# Altium PCB precursor_pvt2b.PcbDoc (part 3 of 7) (continued)
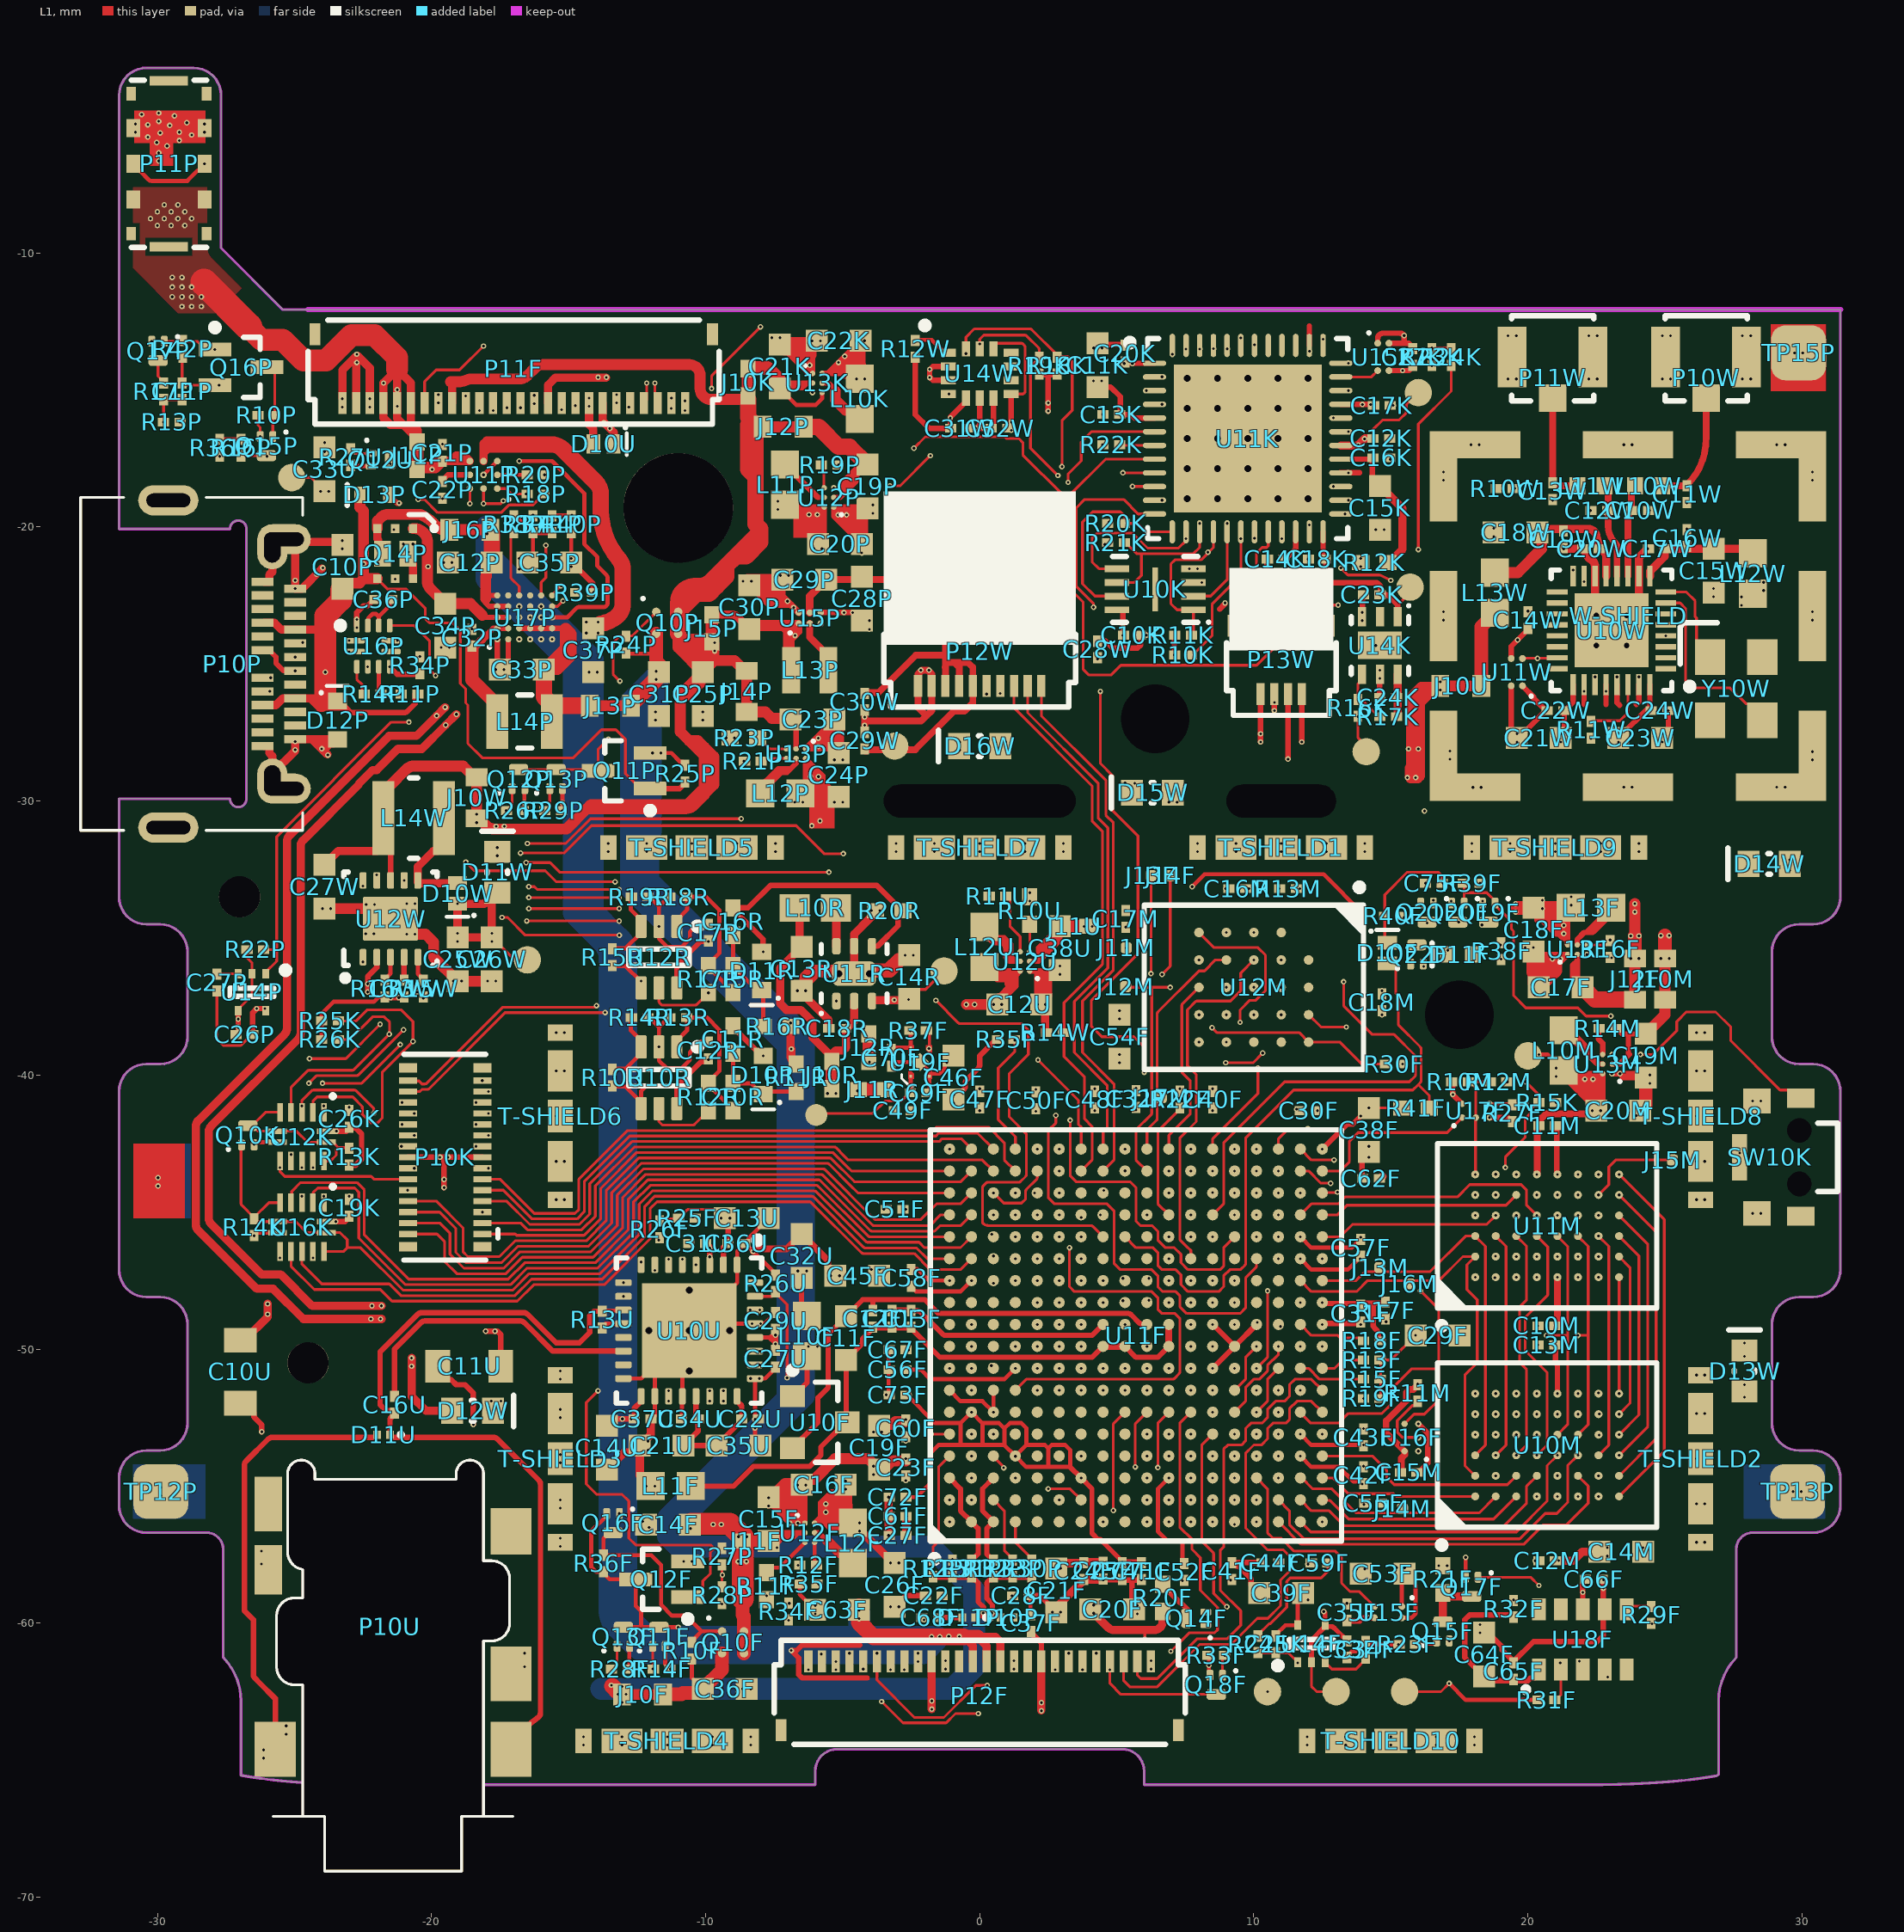
[diagram p0: L1 view]
## Nets (pads, with @x,y where several pads share a name; then routed paths per layer and width w, separated by ;. In a path a pad name is that pad's centre, name@x,y a point inside that pad or via, vN(x,y) a via of type N, cw(c..) or ccw(c..) an arc to the next point about the centre after c; other vN are vias at no path point) (continued)
  L1 w0.25: C30P.2@-8.5,-22 C30P.2@-8.225,-22.275 ; v1(-8.262,-46.438) -8.174,-46.35 -7.05,-46.35 C32U.2@-6.5,-45.8 -5.55,-46.75 -5.55,-47.05 v2(-5.275,-47.325) ; -7.775,-21.963 -7.762,-21.963 C29P.2@-7.525,-22.2 ; C29P.2@-7.238,-21.963 -7.475,-22.2 C29P.2@-7.525,-22.2 ; C29P.2@-7.2,-21.925 -7.2,-22.525 ; -7.187,-22.64 -7.375,-22.64 -7.56,-22.64 -7.85,-22.35 ; C29P.2@-7.138,-21.963 C29P.2@-7.1,-21.925 ; U15P.A2@-6.6,-23.125 v2(-6.9,-22.825) ; C29W.1@-4.2,-27.475 v2(-4.2,-27.087) ; C30W.1@-4.2,-26.7 v2(-4.2,-27.087) ; -1.75,-25.4 -1.75,-25.371 ; C30P.2@-8.225,-22.275 -7.675,-22.825 v2(-6.9,-22.825) ; C30P.2@-8.225,-22.275 C30P.2@-8.075,-22.275 ; C30P.2@-8.075,-22.275 -7.925,-22.275 -7.85,-22.35 ; C30P.2@-8.075,-22.275 -8,-22.2 C29P.2@-7.525,-22.2 ; -7.85,-22.35 -7.375,-22.35 ; C29P.2@-7.525,-22.2 -7.375,-22.35 ; -7.375,-22.35 -7.2,-22.525 ; -7.2,-22.525 v2(-6.9,-22.825) ; v2(-4.2,-27.087) -2.137,-27.087 -1.944,-26.894 ; -1.944,-26.894 -1.75,-26.7 -1.75,-25.371 ; -1.944,-26.894 -2.25,-26.588 -2.25,-25.371 -2.104,-25.225 -1.896,-25.225 -1.75,-25.371
  L1 w0.3: P10P.B1@-26.1,-28 -25.92,-28 -25.92,-28.25 -25.808,-28.362 P10P.0@-25.808,-29 ; P10P.B12@-26.1,-22 -25.92,-22 -25.92,-21.75 -25.808,-21.638 P10P.0@-25.808,-20.75 ; P10P.0@-25.808,-29.25 P10P.0@-25.808,-29 ; v1@-24,-21.525 -24,-21.53 -24.72,-22.25 P10P.A1@-24.97,-22.25 v1(-24.97,-21.952) -24.97,-20.82 P10P.0@-25.24,-20.55 ; v1@-23.8,-28.3 -23.924,-28.176 -24.35,-27.75 ; D12P.1@-23.475,-27.75 -24.075,-27.75 ; D12P.1@-23.425,-27.75 -23.575,-27.9 -23.625,-27.9 -23.825,-27.9 -23.875,-27.95 -24.075,-27.75 ; v2(-23.25,-20.65) -23.35,-20.55 P10P.0@-25.24,-20.55 ; P11F.1@-23.25,-15.3 -23.25,-14.278 -22.75,-13.778 P11F.2@-22.75,-15.3 ; v1@-22.7,-13.752 -22.25,-14.202 P11F.3@-22.25,-15.3 ; C14U.2@-13.275,-54.075 -12.975,-53.775 -12.65,-53.775 C21U.2@-12.4,-53.525 ; L11F.1@-12.4,-54.61 C21U.2@-12.4,-53.525 ; C37U.1@-11.995,-52.55 -11.995,-53.12 C21U.2@-12.4,-53.525 ; C13R.2@-6.575,-36.925 -5.525,-37.975 C18R.1@-5.525,-38.3 ; R20R.1@-3.883,-34.158 -4.051,-34.326 -4.58,-34.855 U11R.5@-4.58,-35.3 U11R.7@-4.58,-36.3 ; v2(-3.325,-56.8) v2(-3.325,-55.4) ; v1(-1.75,-63.14) -1.75,-63.138 P12F.17@-1.75,-61.4 ; v2(2.25,-37.425) 2.39,-37.565 2.39,-38.44 2.4,-38.45 R14W.1@2.425,-38.45 ; v2(2.8,-59.6) 2.8,-59.549 cw(c3.1,-59.549) 2.888,-59.337 3.8,-58.425 3.81,-58.415 v2(4.5,-58.415) ; C62F.2@14.685,-43.695 14.69,-43.7 v1(14.695,-43.7) C62F.2@14.7,-43.7 ; C19W.2@21.3,-20.775 21.3,-20.79 21.31,-20.8 22,-20.8 22.021,-20.821 cw(c21.809,-21.034) 22.07,-20.885 22.169,-21.059 cw(c21.909,-21.209) 22.177,-21.073 ccw(c22.4,-20.96) 22.286,-21.183 cw(c22.15,-21.45) 22.45,-21.45 U10W.14@22.45,-21.795 22.45,-23.175 v6(22.5,-23.225) U10W.33@23.05,-23.775 24.05,-22.775 U10W.10@24.05,-21.795 24.05,-21.1 24.35,-20.8 v2(24.362,-20.8) C17W.2@24.375,-20.8 ; P10P.0@-25.808,-29 -24.97,-28.162 P10P.A12@-24.97,-27.75 -24.35,-27.75 ; P10P.0@-25.24,-20.55 -25.34,-20.45 P10P.0@-25.38,-20.45 -25.28,-20.55 P10P.0@-25.24,-20.55 ; -24.35,-27.75 -24.075,-27.75 ; U11R.7@-4.58,-36.3 -4.355,-36.075 -3.375,-36.075 -3,-35.7 -2.65,-35.7 -3.25,-36.3 v7(-4.03,-36.3) U11R.7@-4.58,-36.3 ; U11R.7@-4.58,-36.3 -4.755,-36.125 -6.15,-36.125 -6.425,-36.4 -6.425,-36.775 -5.95,-36.3 v7(-5.13,-36.3) U11R.7@-4.58,-36.3
  L1 w0.4: C27W.2@-23.9,-33.925 -21.871,-33.925 U12W.11@-21.496,-34.3 -20.937,-34.859 -20.216,-34.859 -19.925,-35.15 -19.925,-35.7 v2(-19.05,-36.575) v2(-17.8,-36.575) ; C21K.2@-7.3,-13.35 -7.225,-13.275 C22K.2@-6.025,-13.275 ; C21K.2@-7.1,-13.55 -6.875,-13.55 -6.85,-13.575 ; C16F.2@-6.5,-54.95 -6.3,-54.75 -6.025,-54.75 -5.275,-54 -4.075,-54 C19F.2@-3.675,-54.4 ; -6.275,-13.85 -6.15,-13.725 C22K.2@-6.15,-13.4 ; v1@-6.25,-14.175 -6.275,-14.15 -6.85,-13.575 ; C22K.2@-6.1,-13.35 C22K.2@-6.15,-13.4 ; C22K.2@-6.095,-13.345 -5.98,-13.345 C22K.2@-5.98,-13.23 ; C19F.2@-3.675,-54.55 -3.2,-54.075 C23F.2@-2.7,-54.075 ; -6.85,-13.575 -6.325,-13.575 C22K.2@-6.15,-13.4
  L1 w0.5: C30P.2@-8.5,-22 -8.463,-21.963 -7.775,-21.963 ; -7.762,-21.963 C29P.2@-7.238,-21.963 ; -7.375,-22.64 -7.375,-22.35 ; -6.65,-56.125 -7.2,-55.575 -7.384,-55.575 v2(-7.7,-55.575) -7.075,-54.95 ; -6.55,-55.575 -7.075,-55.05 -7.075,-54.95 ; C16F.2@-6.5,-54.95 -7.075,-54.95 ; C18F.2@20.2,-35.5 20.2,-36.25 20.25,-36.3 20.25,-36.65 C17F.2@20.4,-36.8 ; C20M.2@24.1,-41.3 24.3,-41.1 C19M.2@24.3,-40.1
  L2 w0.1: v2(14.675,-36.925) 15.8,-36.925 16.197,-36.528 v1(16.197,-36.041) ; v1(16.265,-33) 16.1,-33.165 v1(16.1,-33.8) 16.325,-34.025 16.541,-34.025 16.796,-33.771 16.887,-33.679 cw(c16.958,-33.75) 16.957,-33.65 v1(17.2,-33.65) 17.821,-33.029 ccw(c17.75,-32.959) 17.85,-32.959 17.85,-32.8 cw(c17.95,-32.8) 17.95,-32.7 18.375,-32.7 18.625,-32.95 18.625,-33.375 v1(18.35,-33.65)
  L2 w0.2: v2@-6.343,-14.082 -6.343,-14.564 -6.1,-14.806 v1(-6.1,-15.1) ; v1(-5.325,-18.575) -5.325,-18.743 -5.001,-19.067 v2@-5.001,-19.548 ; v2(-1.5,-56.7) v1(-1.1,-56.3) ; v2(-1.5,-55.9) v1(-1.1,-55.5) ; v2(-1.5,-47.1) v1(-1.1,-47.5) ; v2(-1.5,-42.3) v1(-1.1,-42.7) ; v2(-0.7,-55.1) v1(-0.3,-54.7) ; v2(-0.7,-50.3) v1(-0.3,-49.9) ; v1(-0.3,-53.9) v2(-0.7,-53.5) v1(-0.3,-53.1) ; v2(0.1,-52.7) v1(0.5,-52.3) ; v2(0.9,-55.1) v1(1.3,-54.7) ; v2(0.9,-46.3) v1(1.3,-46.7) ; v2(1.7,-51.1) v1(2.1,-50.7) ; v2(1.7,-48.7) v1(2.1,-49.1) ; v2(2.5,-51.9) v1(2.9,-51.5) ; v2(2.5,-50.3) v1(2.9,-49.9) ; v2(2.5,-47.9) v1(2.9,-48.3) ; v2(3.3,-54.3) v1(3.7,-53.9) ; v2(3.3,-51.1) v1(3.7,-50.7) ; v2(3.3,-48.7) v1(3.7,-49.1) ; v2(3.3,-47.1) v1(3.7,-47.5) ; v2(4.1,-51.9) v1(4.5,-51.5) ; v2(4.1,-47.9) v1(4.5,-48.3) ; v2(4.5,-56.866) v1(4.5,-56.3) ; v2(4.9,-51.1) v1(5.3,-50.7) ; v2(4.9,-47.1) 5.219,-47.419 v1(5.226,-47.419) ; v1(6.1,-51.5) v2(6.5,-51.9) ; v1(6.177,-48.218) 6.182,-48.218 v2(6.5,-47.9) ; v1(6.9,-50.7) v2(7.3,-51.1) ; v1(6.9,-47.5) v2(7.3,-47.1) ; v1(7.7,-51.5) v2(8.1,-51.9) v1(8.5,-52.3) ; v1(7.7,-49.9) v2(8.1,-50.3) ; v1(7.7,-48.3) v2(8.1,-47.9) ; v1(8.5,-50.7) v2(8.9,-51.1) ; v1(8.5,-49.1) v2(8.9,-48.7) ; v1(8.5,-47.5) v2(8.9,-47.1) ; v1(9.3,-48.3) v2(9.7,-47.9) ; v1(10.125,-49.025) 10.45,-48.7 v2(10.5,-48.7) ; v1(12.325,-41.3) v2(12.891,-41.3) ; v1(12.5,-56.3) v2(12.9,-56.7) ; v1(12.5,-49.9) v2(12.9,-50.3) ; v1(12.5,-48.3) v2(12.9,-47.9) ; v1(12.5,-42.7) 12.775,-42.7 v2(13.075,-42.4) ; v2(13.434,-54.925) 13.437,-54.928 v1(13.951,-54.928) ; v2(13.5,-45.525) v1(13.9,-45.925) ; v1(13.9,-48.3) v2(14.3,-47.9) ; v1(13.9,-41.5) v1(14.2,-41.2) v2(14.6,-40.8) ; v1(14,-52.9) v2(14.566,-52.9) ; v2(16.95,-50.275) 17.188,-50.037 v1(17.188,-49.542) ; v2(20.325,-48.575) 20.35,-48.6 v1(20.35,-49.15) ; v2@21.076,-35.761 21.573,-35.761 21.734,-35.6 v1(22.15,-35.6) ; v1(23.075,-39.25) 23.075,-39.334 23.209,-39.469 v2(23.209,-39.95)
  L2 w0.25: v2(20.325,-48.575) v1(20.325,-47.375) ; v1(21.075,-51.625) v2(21.075,-51.125) ; v1(21.075,-43.625) v2(21.075,-42.425)
  L2 w0.3: v1(5.325,-34) 9.2,-34 v2(10,-34.8)
  other v1: -26.125,-64.925 -26.125,-64.625 -14.45,-64.45 -13.05,-64.45 -11.4,-64.45 -9.75,-64.45 -8.35,-64.45 11.95,-64.45 13.35,-64.45 15,-64.45 16.65,-64.45 18.05,-64.45 -14.45,-64.15 -13.05,-64.15 -11.4,-64.15 -9.75,-64.15 -8.35,-64.15 11.95,-64.15 13.35,-64.15 15,-64.15 16.65,-64.15 18.05,-64.15 -25.3,-64.05 -25.3,-63.75 -1.75,-62.84 -8.65,-62.4 -8.35,-62.4 -5.25,-61.7 -1.25,-61.675 1.25,-61.675 6.25,-61.675 8.36,-61.537 -5.25,-61.4 -1.25,-61.375 1.25,-61.375 6.25,-61.375 17.13,-60.65 18.25,-60.35 18.25,-60.05 -0.635,-59.8 1.235,-59.8 -6.002,-59.659 5.75,-59.658 2.65,-59.6 2.95,-59.6 8.25,-59.595 -3.25,-59.4 -2.95,-59.4 -6.002,-59.359 5.75,-59.358 -9.4,-59.3 -7.775,-59.3 13.4,-59.275 11.675,-59.15 11.975,-59.15 -7.775,-59 22.75,-58.724 7.4,-58.45 9.15,-58.428 22.75,-58.424 4.5,-58.415 15.2,-57.975 15.5,-57.975 10.975,-57.85 11.975,-57.85 -10.8,-57.75 -10.5,-57.75 20.262,-57.726 17.725,-57.6 24.2,-57.55 24.2,-57.25 -15.3,-57.2 26.15,-57.05 26.45,-57.05 -15.3,-56.9 -3.325,-56.8 -12.062,-56.513 -6.937,-56.35 -6.638,-56.35 -12.288,-56.287 -15.3,-55.8 -7.7,-55.725 26.15,-55.65 26.45,-55.65 14.75,-55.625 -15.3,-55.5 6.9,-55.5 -7.7,-55.425 -3.325,-55.4 20.325,-55.375 -29.875,-55.35 29.675,-55.2 29.975,-55.2 -29.875,-55.05 -12.17,-55 -11.85,-55 -6.642,-54.964 -6.342,-54.964 9.3,-54.7 -3.875,-54.575 -3.875,-54.275 -15.3,-54.15 -2.7,-54 26.15,-54 26.45,-54 11.7,-53.9 -15.3,-53.85 -12.1,-53.685 -12.1,-53.365 -2.7,-53.35 6.1,-53.1 -8.2,-52.885 16,-52.725 -8.2,-52.565 -15.3,-52.5 26.15,-52.35 26.45,-52.35 -15.3,-52.2 -3.416,-51.672 10.9,-51.5 -15.3,-51.1 -8.36,-51.075 -8.04,-51.075 26.15,-50.95 26.45,-50.95 -15.3,-50.8 -3.404,-50.032 -8.31,-49.075 -7.99,-49.075 -5.435,-47.325 -5.115,-47.325 -8.488,-46.212 -10.65,-46.125 3.7,-45.9 11.7,-45.9 6.1,-45.1 28.2,-45.05 28.5,-45.05 -3.5,-44.9 -15.45,-44.55 -15.15,-44.55 26.15,-44.55 26.45,-44.55 -23,-44.425 0.5,-44.3 8.5,-44.284 -29.975,-44.05 -29.975,-43.75 2.9,-43.5 10.9,-43.5 -20.625,-43.4 -15.45,-43.15 -15.15,-43.15 26.15,-43.15 26.45,-43.15 27.725,-43.15 27.725,-42.85 5.3,-42.7 -18.375,-42.6 18.6,-41.55 -15.45,-41.5 -15.15,-41.5 26.15,-41.5 26.45,-41.5 23.955,-41.477 24.255,-41.477 -3.2,-41.3 -23,-41.175 21.025,-41 28.2,-40.95 28.5,-40.95 2.05,-40.525 0,-40.5 4.2,-40.5 8.5,-40.5 5.7,-40.475 24.45,-40.3 19.25,-40.25 24.45,-40 23.059,-39.95 23.359,-39.95 -15.45,-39.85 -15.15,-39.85 26.15,-39.85 26.45,-39.85 -1.2,-39.55 -1.2,-39.25 8,-38.8 -15.45,-38.45 -15.15,-38.45 26.15,-38.45 26.45,-38.45 5.1,-37.95 5.1,-37.65 2.1,-37.425 2.4,-37.425 20.25,-37.075 20.55,-37.075 -6.65,-36.925 -6.35,-36.925 14.675,-36.925 11,-36.8 -19.2,-36.575 -18.9,-36.575 -17.95,-36.575 -17.65,-36.575 2.925,-36.325 2.925,-36.025 20.89,-35.767 21.19,-35.767 -2.725,-35.625 -2.425,-35.625 19.9,-35.35 20.2,-35.35 -20.9,-34.859 -20.6,-34.859 -22.4,-34.85 -22.1,-34.85 10,-34.8 -3.95,-34 -3.65,-34 -23.98,-33.929 -23.68,-33.929 -22.381,-33.778 -22.081,-33.778 -20.9,-33.75 -20.6,-33.75 1.825,-33.65 1.825,-33.35 9.818,-33.195 -13.55,-31.85 -12.15,-31.85 -10.5,-31.85 -8.85,-31.85 -7.45,-31.85 -3.05,-31.85 -1.65,-31.85 0,-31.85 1.65,-31.85 3.05,-31.85 7.95,-31.85 9.35,-31.85 11,-31.85 12.65,-31.85 14.05,-31.85 17.95,-31.85 19.35,-31.85 21,-31.85 22.65,-31.85 24.05,-31.85 -13.55,-31.55 -12.15,-31.55 -10.5,-31.55 -8.85,-31.55 -7.45,-31.55 -3.05,-31.55 -1.65,-31.55 0,-31.55 1.65,-31.55 3.05,-31.55 7.95,-31.55 9.35,-31.55 11,-31.55 12.65,-31.55 14.05,-31.55 17.95,-31.55 19.35,-31.55 21,-31.55 22.65,-31.55 24.05,-31.55 -16.61,-30.368 -15.233,-30.362 -16.61,-30.068 -15.233,-30.062 17.992,-29.504 18.292,-29.504 23.5,-29.5 23.8,-29.5 29.08,-29.5 29.38,-29.5 -5.3,-28.5 -5,-28.5 30.38,-28.5 17.15,-28.475 -23.779,-28.323 -11.934,-28.25 -11.634,-28.25 30.38,-28.2 17.15,-28.175 -24.97,-28.135 -24.006,-28.097 -5.888,-28.012 19.6,-27.85 24.9,-27.85 -24.97,-27.835 22.3,-27.725 -9.25,-27.7 -8.95,-27.7 -5.888,-27.712 19.6,-27.55 24.9,-27.55 -4.2,-27.237 -11.825,-27.05 -10.1,-27.05 -4.2,-26.938 -5.45,-26.85 -5.15,-26.85 -11.825,-26.75 -10.1,-26.75 20.663,-26.7 25.125,-26.7 -21.921,-26.109 14.594,-25.531 -14.25,-25.3 -13.95,-25.3 14.594,-25.231 -17.653,-25.205 -17.353,-25.205 -2.15,-25.225 -1.85,-25.225 -19.65,-24.4 -19.35,-24.4 14.45,-24.325 14.75,-24.325 -17.6,-24.1 6.078,-23.95 6.378,-23.95 -4.025,-23.735 -4.025,-23.415 13.956,-23.419 16.92,-23.4 30.38,-23.4 -4.951,-23.125 -4.631,-23.125 13.956,-23.119 16.92,-23.1 30.38,-23.1 20,-23.075 -6.787,-22.938 -7.013,-22.712 -21.345,-22.659 26.775,-22.55 -24.97,-22.252 26.775,-22.25 -8.631,-21.981 -8.331,-21.981 10.475,-21.85 -7.27,-21.77 -6.97,-21.77 -24.189,-21.718 7.645,-21.525 7.945,-21.525 -23.963,-21.492 -14.9,-21.45 -19.55,-21.3 -19.25,-21.3 11.975,-21.175 -14.9,-21.15 -4.303,-20.949 -23.25,-20.8 21.305,-20.795 24.362,-20.8 -4.303,-20.649 -23.25,-20.5 18.75,-20.35 14.45,-20.1 14.75,-20.1 25.8,-20.075 18.75,-20.05 -5.158,-19.564 -4.858,-19.564 -3.9,-19.5 22.275,-19.4 24.425,-19.4 -3.9,-19.2 25.8,-19.125 20.9,-19.025 -19.6,-18.975 16.92,-18.3 30.38,-18.3 -18.1,-18.1 -15.875,-18.1 16.92,-18 30.38,-18 -22.949,-17.776 14.977,-17.535 -23.9,-17.25 17.92,-17 18.22,-17 23.5,-17 23.8,-17 29.08,-17 29.38,-17 -19.6,-16.975 -23.9,-16.925 14.982,-16.715 -0.158,-16.394 0.142,-16.394 4.475,-15.9 -23.25,-15.625 -22.25,-15.625 15.086,-15.569 -16.25,-15.5 -19.75,-15.475 -13.25,-15.475 -23.25,-15.325 -22.25,-15.325 -16.25,-15.2 -19.75,-15.175 -13.25,-15.175 -28.1,-14.825 -27.75,-14.825 19.275,-14.6 19.575,-14.6 22.225,-14.6 22.525,-14.6 24.9,-14.6 25.2,-14.6 27.825,-14.6 28.125,-14.6 -1.825,-14.55 -1.825,-14.25 -6.501,-14.1 -6.201,-14.1 -22.725,-14 -22.725,-13.7 29.725,-13.65 30.025,-13.65 4.161,-13.472 4.461,-13.472 -6.115,-13.215 -5.815,-13.215 -7.582,-13.096 -7.282,-13.096 15.484,-13.019 19.275,-13.025 19.575,-13.025 22.225,-13.025 22.525,-13.025 24.9,-13.025 25.2,-13.025 27.825,-13.025 28.125,-13.025 -29.95,-6.65 -29.95,-6.35 -29.65,-6.1 -30.025,-5.975 -29.2,-5.9 -30.35,-5.775 -28.75,-5.7 -29.9,-5.625 -30.8,-5.6 -29.2,-5.6 -28.28,-5.6 -29.55,-5.35 -30.35,-5.325 -30.8,-5.3 -28.28,-5.3 -28.925,-5.25 -29.95,-5.2 -29.375,-5 -30.575,-4.95 -29.95,-4.9
  other v2: -26.125,-64.775 -14.45,-64.3 -13.05,-64.3 -11.4,-64.3 -9.75,-64.3 -8.35,-64.3 11.95,-64.3 13.35,-64.3 15,-64.3 16.65,-64.3 18.05,-64.3 -25.3,-63.9 -1.75,-62.99 -8.5,-62.4 -11.287,-61.675 -12.793,-61.667 -5.25,-61.55 -1.25,-61.525 1.25,-61.525 6.25,-61.525 8.36,-61.537 15.275,-60.775 17.13,-60.65 18.25,-60.2 1.235,-59.8 8.25,-59.595 5.75,-59.508 -9.4,-59.3 13.4,-59.275 -7.775,-59.15 11.825,-59.15 22.75,-58.574 7.4,-58.45 5.9,-58.425 9.15,-58.428 15.35,-57.975 11,-57.9 12,-57.9 -10.65,-57.75 20.262,-57.726 24.2,-57.4 -15.3,-57.05 26.3,-57.05 -12.175,-56.4 -6.787,-56.35 -15.3,-55.65 26.3,-55.65 14.75,-55.625 6.9,-55.5 -29.875,-55.2 29.825,-55.2 -6.492,-54.964 9.3,-54.7 -3.875,-54.425 -15.3,-54 -2.7,-54 26.3,-54 -12.1,-53.525 -2.7,-53.35 6.1,-53.1 -8.2,-52.725 -15.3,-52.35 26.3,-52.35 -3.416,-51.672 10.9,-51.5 -15.3,-50.95 26.3,-50.95 -3.404,-50.032 -8.15,-49.075 -8.375,-46.325 -10.65,-46.125 3.7,-45.9 -26.475,-45.862 6.1,-45.1 28.35,-45.05 -3.5,-44.9 -15.3,-44.55 26.3,-44.55 -23,-44.425 8.5,-44.284 -29.975,-43.9 14.695,-43.7 2.9,-43.5 10.9,-43.5 -20.625,-43.4 -15.3,-43.15 26.3,-43.15 27.725,-43 5.3,-42.7 -18.375,-42.6 -26.47,-42.525 -15.3,-41.5 26.3,-41.5 24.105,-41.477 -3.2,-41.3 -23,-41.175 21.025,-41 28.35,-40.95 2.05,-40.525 0,-40.5 4.2,-40.5 8.5,-40.5 5.7,-40.475 19.25,-40.25 24.45,-40.15 -15.3,-39.85 26.3,-39.85 -1.2,-39.4 -11.7,-38.975 8,-38.8 -15.3,-38.45 26.3,-38.45 5.1,-37.8 -26.225,-37.575 -21.342,-37.175 20.4,-37.075 -6.5,-36.925 11,-36.8 21.04,-35.767 -2.575,-35.625 20.05,-35.35 -20.75,-34.859 -22.25,-34.85 -11.7,-34.575 -3.8,-34 -23.83,-33.929 16.1,-33.8 -22.231,-33.778 -20.75,-33.75 1.825,-33.5 9.818,-33.195 -13.55,-31.7 -12.15,-31.7 -10.5,-31.7 -8.85,-31.7 -7.45,-31.7 -3.05,-31.7 -1.65,-31.7 0,-31.7 1.65,-31.7 3.05,-31.7 7.95,-31.7 9.35,-31.7 11,-31.7 12.65,-31.7 14.05,-31.7 17.95,-31.7 19.35,-31.7 21,-31.7 22.65,-31.7 24.05,-31.7 -16.61,-30.218 -15.233,-30.212 18.142,-29.504 23.65,-29.5 29.23,-29.5 -5.15,-28.5 30.38,-28.35 17.15,-28.325 -11.784,-28.25 -23.893,-28.21 -24.97,-27.985 -5.888,-27.862 22.3,-27.725 -9.1,-27.7 -11.825,-26.9 -10.1,-26.9 -5.3,-26.85 14.594,-25.381 -14.1,-25.3 -17.503,-25.205 -2,-25.225 -19.5,-24.4 14.6,-24.325 6.228,-23.95 -4.025,-23.575 13.956,-23.269 16.92,-23.25 30.38,-23.25 -4.791,-23.125 20,-23.075 -14.085,-22.392 26.775,-22.4 -24.97,-22.102 -8.481,-21.981 -7.12,-21.77 -24.076,-21.605 7.795,-21.525 -19.4,-21.3 11.975,-21.175 -4.303,-20.799 21.305,-20.795 18.75,-20.2 14.6,-20.1 25.8,-20.075 -5.008,-19.564 22.275,-19.4 24.425,-19.4 -3.9,-19.35 25.8,-19.125 20.9,-19.025 16.92,-18.15 30.38,-18.15 14.977,-17.535 -23.9,-17.1 18.07,-17 23.65,-17 29.23,-17 -26.96,-16.809 14.982,-16.715 -0.008,-16.394 4.475,-15.9 15.086,-15.569 -23.25,-15.475 -22.25,-15.475 -16.255,-15.348 -19.75,-15.325 -13.258,-15.317 19.425,-14.6 22.375,-14.6 25.05,-14.6 27.975,-14.6 -1.825,-14.4 -6.351,-14.1 -22.725,-13.85 29.875,-13.65 4.311,-13.472 -30.215,-13.234 -5.965,-13.215 -7.432,-13.096 19.425,-13.025 22.375,-13.025 25.05,-13.025 27.975,-13.025 -29.95,-6.5 -29.2,-5.75 -30.8,-5.45 -28.28,-5.45 -29.95,-5.05
  other v3: -13.05,-64.3 -8.35,-64.3 15,-64.3 -25.3,-63.9 -1.25,-61.525 1.25,-61.525 6.25,-61.525 15.275,-60.775 -3.1,-59.4 -9.4,-59.3 -7.775,-59.15 11,-57.9 12,-57.9 20.262,-57.726 24.2,-57.4 4.5,-56.866 12.9,-56.7 -6.787,-56.35 -1.5,-55.9 -7.7,-55.575 6.9,-55.5 20.325,-55.375 29.829,-55.35 -30.025,-55.2 -29.725,-55.2 0.9,-55.1 29.829,-55.05 -12.01,-55 -6.492,-54.964 -3.875,-54.425 3.3,-54.3 -15.3,-54 -2.7,-54 26.3,-54 11.7,-53.9 -12.1,-53.525 -0.7,-53.5 6.1,-53.1 8.1,-51.9 10.9,-51.5 3.3,-51.1 4.9,-51.1 -8.2,-51.075 -0.7,-50.3 12.9,-50.3 16.95,-50.275 -8.15,-49.075 10.5,-48.7 20.325,-48.575 8.1,-47.9 9.7,-47.9 12.9,-47.9 -5.325,-47.325 0.9,-46.3 -10.65,-46.125 0.5,-44.3 8.5,-44.284 -30.125,-43.9 -29.825,-43.9 -20.625,-43.4 27.725,-43 5.3,-42.7 -18.375,-42.6 21.075,-42.425 13.075,-42.4 -1.5,-42.3 18.6,-41.55 -15.3,-41.5 26.3,-41.5 24.105,-41.477 -3.2,-41.3 14.6,-40.8 2.05,-40.525 0,-40.5 8.5,-40.5 23.209,-39.95 -1.2,-39.4 -11.7,-38.975 -15.3,-38.45 5.1,-37.8 -26.275,-37.575 2.25,-37.425 20.4,-37.075 -6.55,-36.95 14.675,-36.925 11,-36.8 2.925,-36.175 -2.575,-35.625 20.05,-35.35 10,-34.8 -3.8,-34 9.818,-33.195 0,-31.7 11,-31.7 21,-31.7 18.142,-29.504 23.65,-29.5 29.23,-29.5 -5.15,-28.5 30.38,-28.35 17.15,-28.325 -23.893,-28.21 24.9,-27.7 -10.1,-26.9 -5.3,-26.85 -17.503,-25.205 -2,-25.225 -19.5,-24.4 14.6,-24.325 -4.025,-23.575 -6.9,-22.825 -7.12,-21.77 -19.4,-21.3 -14.9,-21.3 11.975,-21.175 -4.303,-20.799 -23.25,-20.65 18.75,-20.2 -5.008,-19.564 -19.6,-18.975 16.92,-18.15 30.38,-18.15 -23.9,-17.1 18.07,-17 23.65,-17 29.23,-17 -19.6,-16.975 -0.008,-16.394 -22.25,-15.475 -16.255,-15.348 -19.75,-15.325 -13.258,-15.317 19.425,-14.6 22.375,-14.6 25.05,-14.6 27.975,-14.6 29.875,-13.8 29.875,-13.5 4.311,-13.472 -5.95,-13.15 19.425,-13.025 22.375,-13.025 25.05,-13.025 27.975,-13.025
  other v4: 7.576,-18.977 8.676,-18.977 9.776,-18.977 10.876,-18.977 11.976,-18.977 7.576,-17.877 8.676,-17.877 9.776,-17.877 10.876,-17.877 11.976,-17.877 7.576,-16.777 8.676,-16.777 9.776,-16.777 10.876,-16.777 11.976,-16.777 7.576,-15.677 8.676,-15.677 9.776,-15.677 10.876,-15.677 11.976,-15.677 7.576,-14.577 8.676,-14.577 9.776,-14.577 10.876,-14.577 11.976,-14.577
  other v5: -10.6,-50.8 -12.075,-49.325 -9.125,-49.325 -10.6,-47.85
  other v6: 22.5,-24.325 23.6,-24.325 23.6,-23.225
GPIO0: P11F.24 U11F.F14 | length 56.4
  L1 w0.1: v1(-11.85,-14.75) -11.85,-15.375 P11F.24@-11.75,-15.475
  L2 w0.1: v1@-11.9,-14.75 -11.9,-14.573 cw(c-11.8,-14.573) -11.871,-14.502 -11.739,-14.371 cw(c-11.669,-14.442) -11.668,-14.342 -9.539,-14.342 cw(c-9.538,-14.442) -9.468,-14.371 -9.11,-14.729 -8.046,-15.793 ; -10.876,-28.2 -10.876,-28.626 -11.374,-29.124 -12.884,-29.124 -15.551,-31.792 -15.55,-37 -14.675,-37.875 -14.675,-41.409 ccw(c-14.575,-41.409) -14.646,-41.479 -12.954,-43.171 ccw(c-12.884,-43.1) -12.884,-43.2 -8.074,-43.2 cw(c-8.074,-43.3) -8.003,-43.23 -7.512,-43.721 ccw(c-7.441,-43.65) -7.441,-43.75 -0.808,-43.75 -0.133,-43.075 1.125,-43.075 1.825,-43.775 2,-43.775 2.3,-44.075 2.3,-44.85 2.35,-44.9 2.35,-45.37 v1@2.89,-45.91 ; -10.875,-28.319 -10.875,-26.467 -7.999,-23.591 -7.999,-17.526 -8,-17.525 -8,-15.839 -8.045,-15.794 ; -8.046,-15.793 cw(c-8.116,-15.864) -8.045,-15.794 ; -8.046,-15.793 -8.045,-15.794
  other v1: 2.9,-45.9
GPIO1: P11F.23 U11F.F15 | length 56.8
  L1 w0.1: P11F.23@-12.25,-15.475 -12.15,-15.375 v1(-12.15,-14.75)
  L2 w0.1: v1@-12.117,-14.75 -12.117,-14.483 cw(c-12.017,-14.483) -12.088,-14.413 -11.829,-14.154 cw(c-11.759,-14.225) -11.759,-14.125 -9.431,-14.125 -7.799,-15.757 -7.799,-15.797 ; -10.675,-28.425 -10.675,-28.2 ; -7.799,-15.798 -7.799,-23.674 -10.675,-26.55 -10.675,-28.2 ; v1(2.9,-45.1) 2.9,-45.104 2.679,-45.325 2.609,-45.325 2.55,-45.266 2.55,-44.817 2.5,-44.767 2.5,-43.95 2.075,-43.525 1.858,-43.525 1.208,-42.875 -0.225,-42.875 -0.9,-43.55 -7.359,-43.55 cw(c-7.359,-43.45) -7.429,-43.521 -7.861,-43.089 -7.95,-43 -12.801,-43 cw(c-12.801,-42.9) -12.871,-42.971 -14.446,-41.396 cw(c-14.375,-41.326) -14.475,-41.327 -14.475,-37.823 ccw(c-14.575,-37.823) -14.504,-37.752 -15.32,-36.937 cw(c-15.249,-36.866) -15.349,-36.866 -15.35,-31.876 -12.8,-29.325 -11.29,-29.325 -10.675,-28.709 -10.675,-28.2
GPIO2: P11F.22 U11F.E16 | length 54.6
  L1 w0.1: P11F.22@-12.775,-15.45 P11F.22@-12.75,-15.475
  L2 w0.1: v1(-12.8,-15.625) -12.675,-15.5 -11.888,-15.5 -11.775,-15.387 -11.775,-15.125 -11.45,-14.8 -10.552,-14.8 -10.452,-14.7 -9.675,-14.7 -9.529,-14.846 -9.529,-16.346 -8.216,-17.659 -8.216,-20.416 -11.1,-23.301 -11.1,-25.083 -11.1,-25.525 -12.45,-26.875 -12.45,-27.475 -14.741,-29.766 -14.741,-30.316 -16,-31.575 -16,-41.375 -15.375,-42 -14.861,-42 -13.261,-43.6 -8.109,-43.6 -7.059,-44.65 -4.5,-44.65 -3.954,-44.104 cw(c-3.884,-44.175) -3.884,-44.075 -0.891,-44.075 ccw(c-0.891,-43.975) -0.821,-44.046 -0.05,-43.275 1.033,-43.275 1.779,-44.021 1.779,-44.079 v1(2,-44.3)